# Altium PCB dcb_split_v2.PcbDoc (part 1 of 3)
Units mm, origin at the board's own origin, x right, y up, seen from the top; angles counter-clockwise.
Board outline 175 x 60 mm, 4 copper layers (Top Layer, Int1 (GND), Int2 (PWR), Bottom Layer), stack 1.369 mm thick; 175 components, 105 nets, 654 pads, 664 vias.
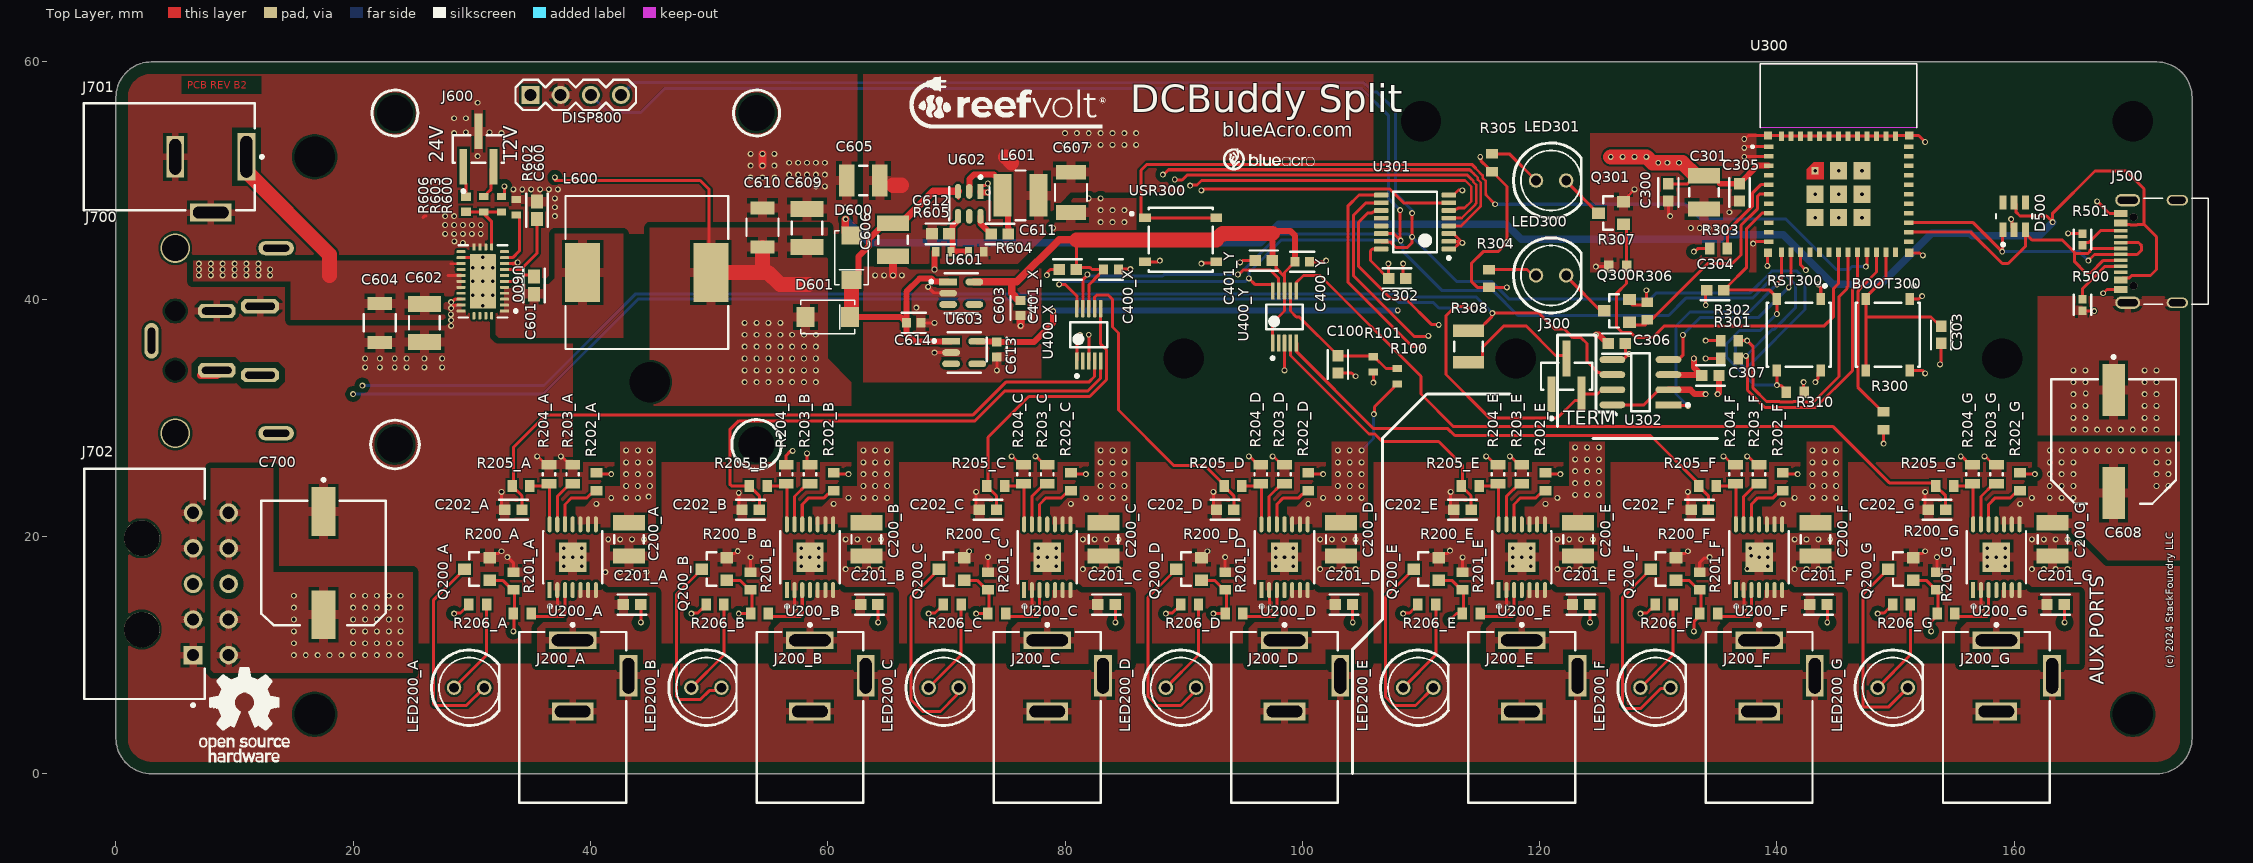
[diagram p0: Top Layer view]
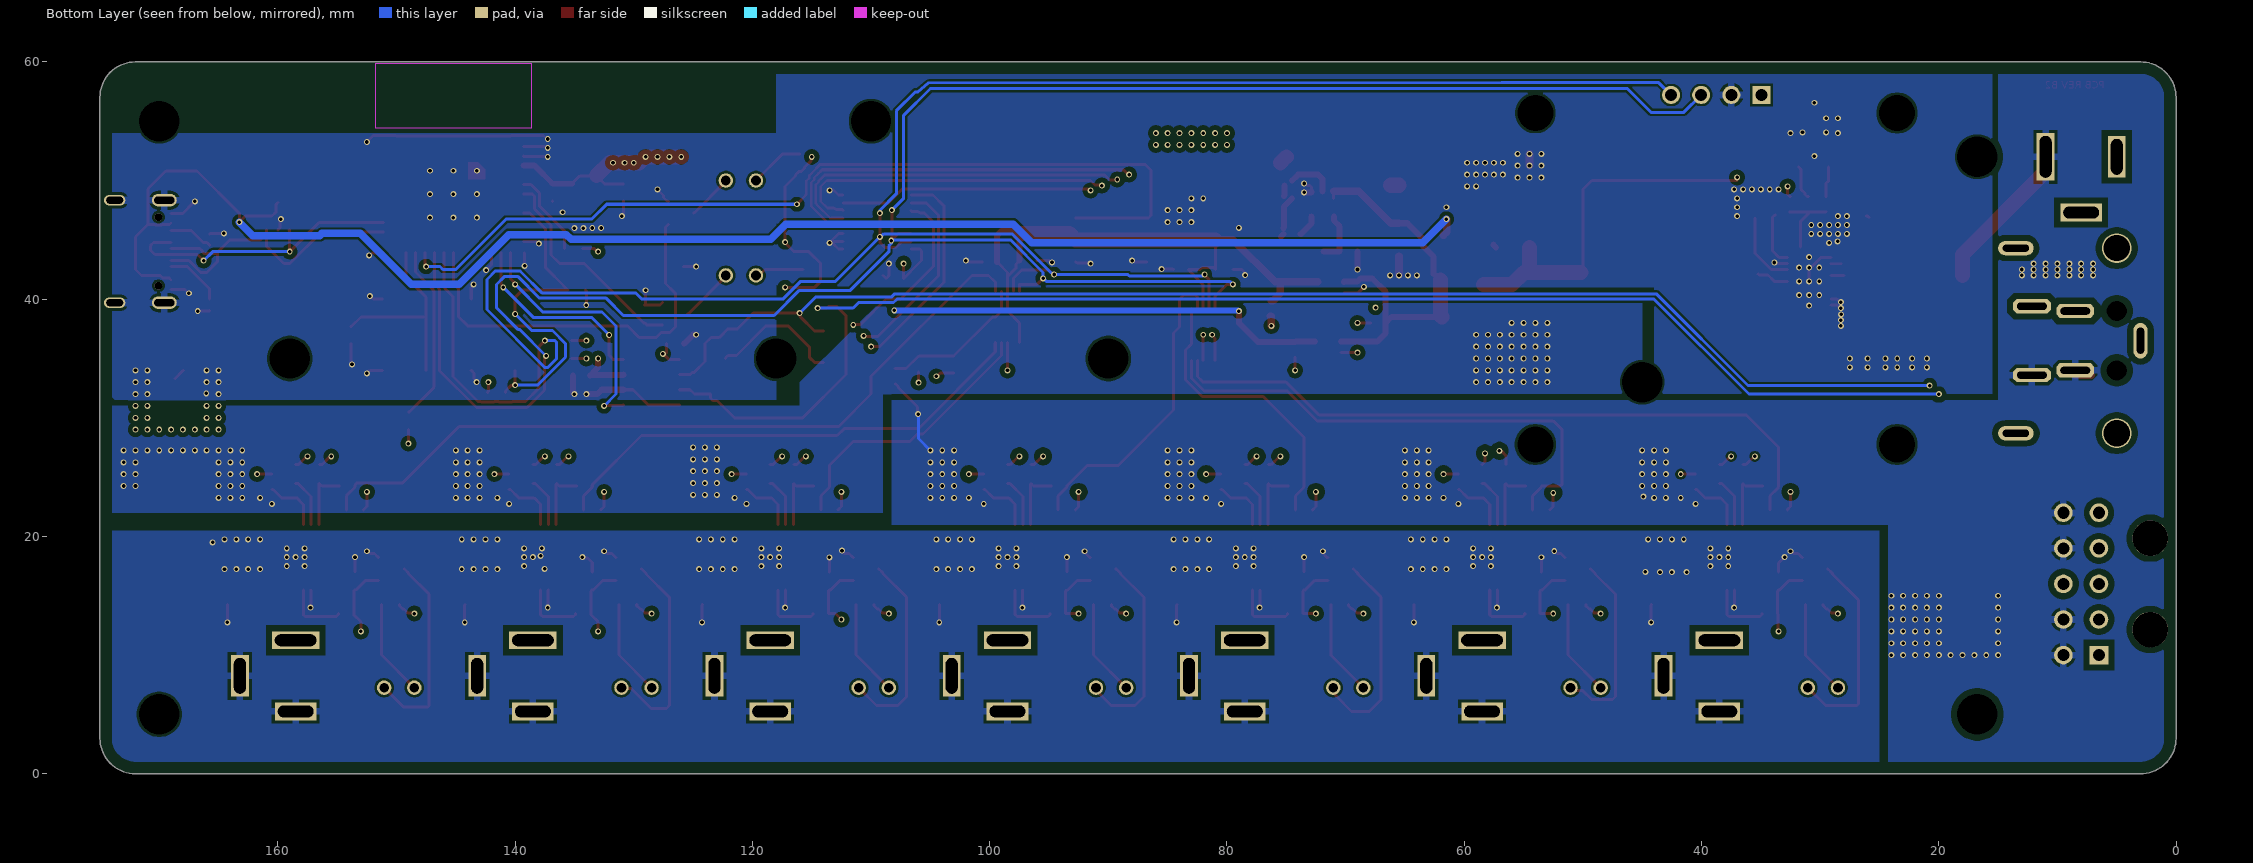
[diagram p1: Bottom Layer view, seen from below]
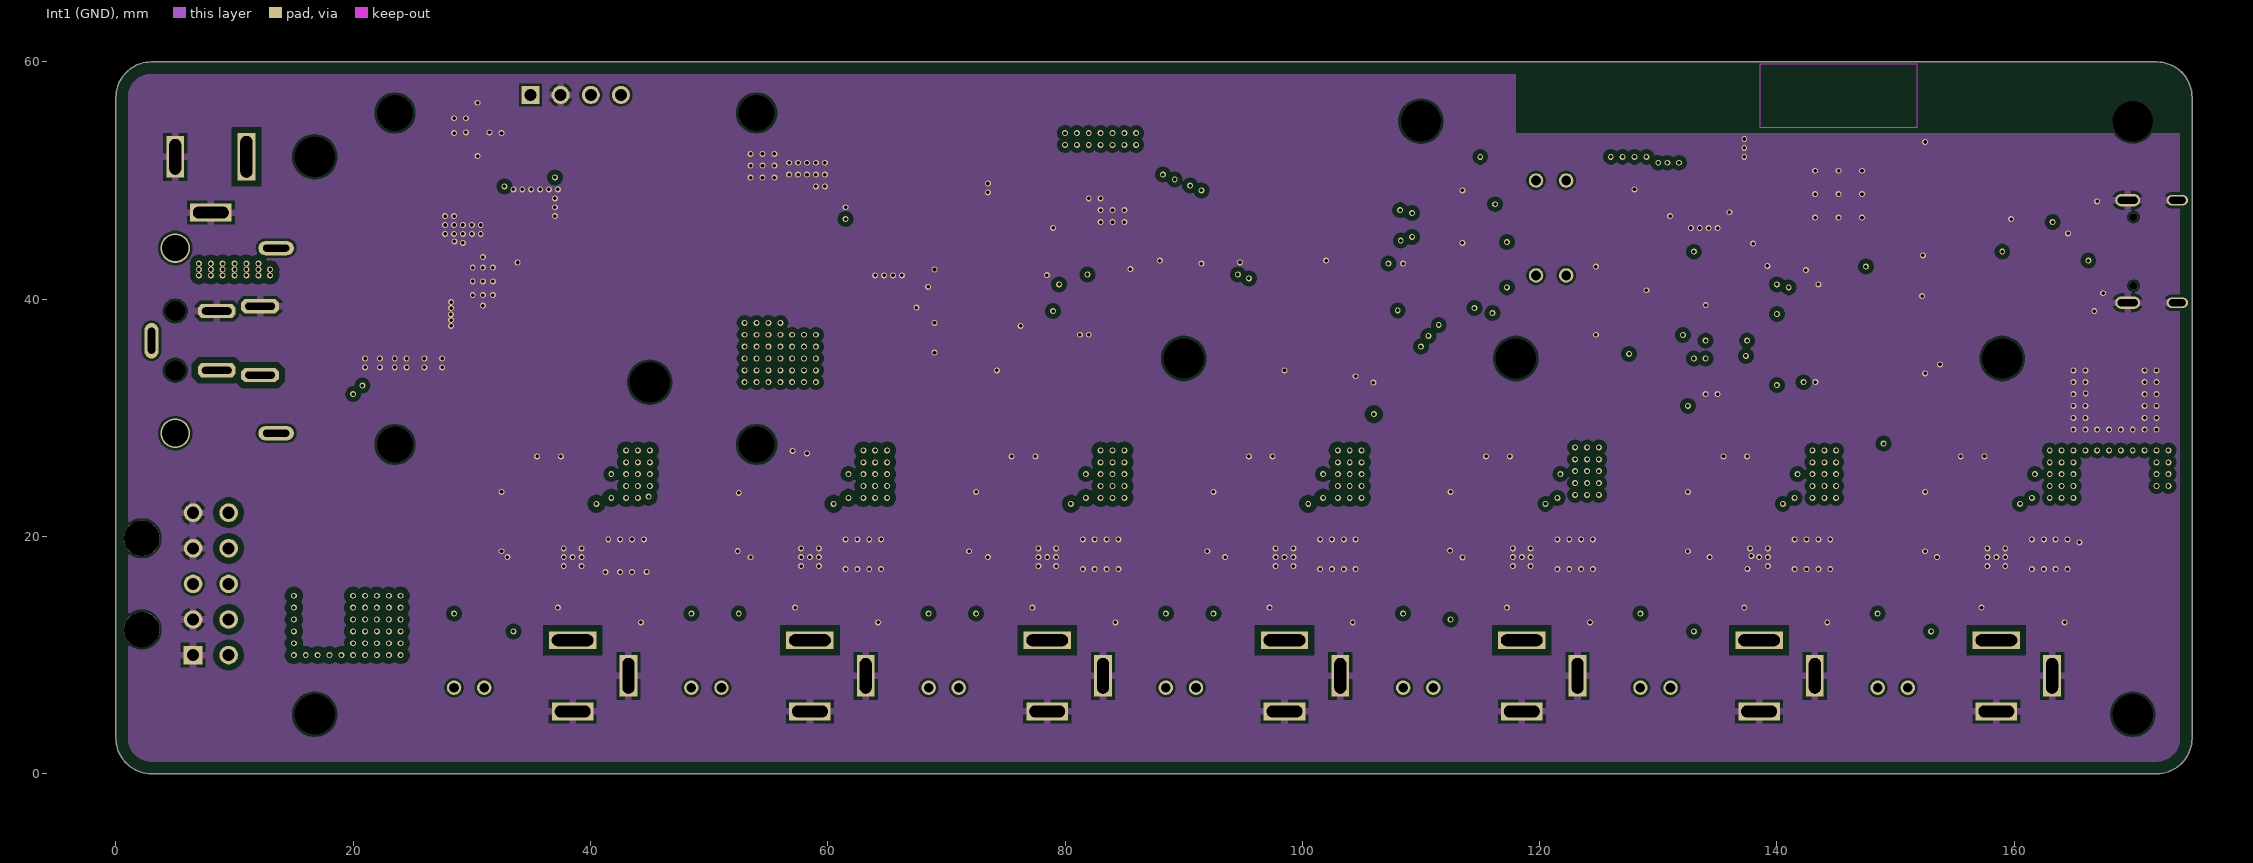
[diagram p2: Int1 (GND)]
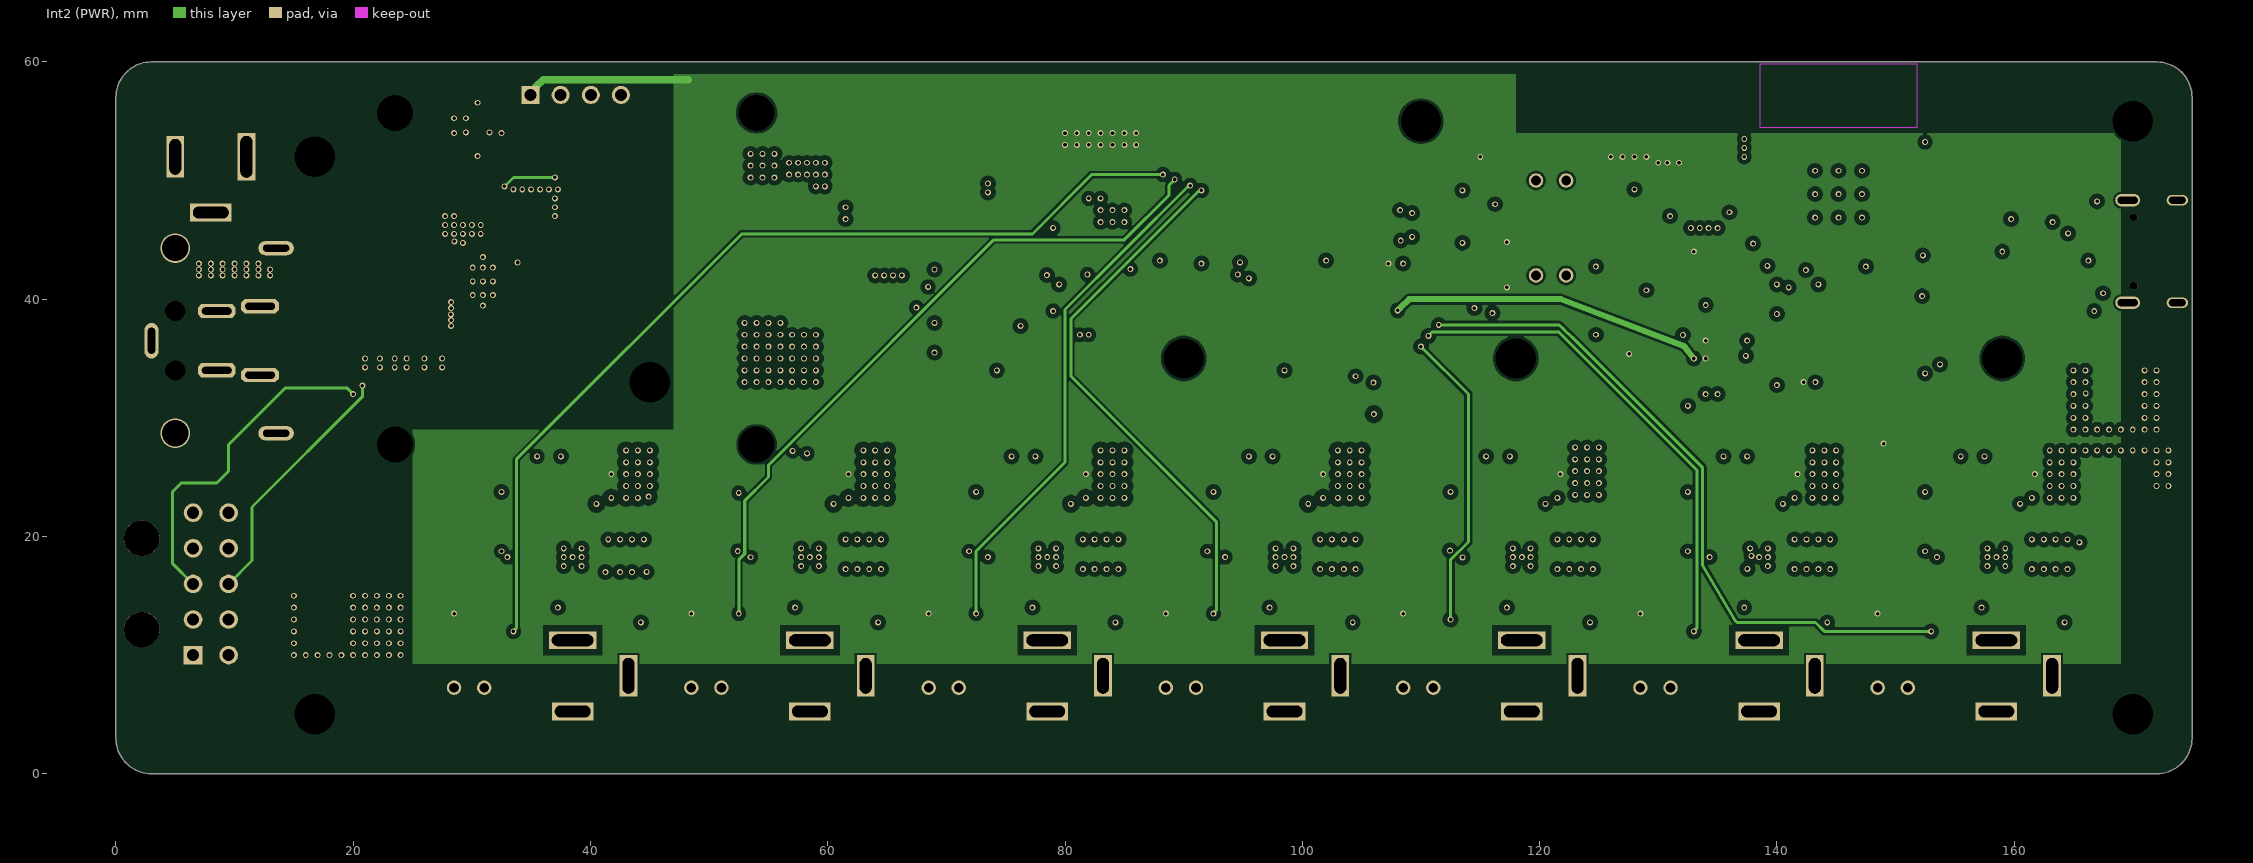
[diagram p3: Int2 (PWR)]
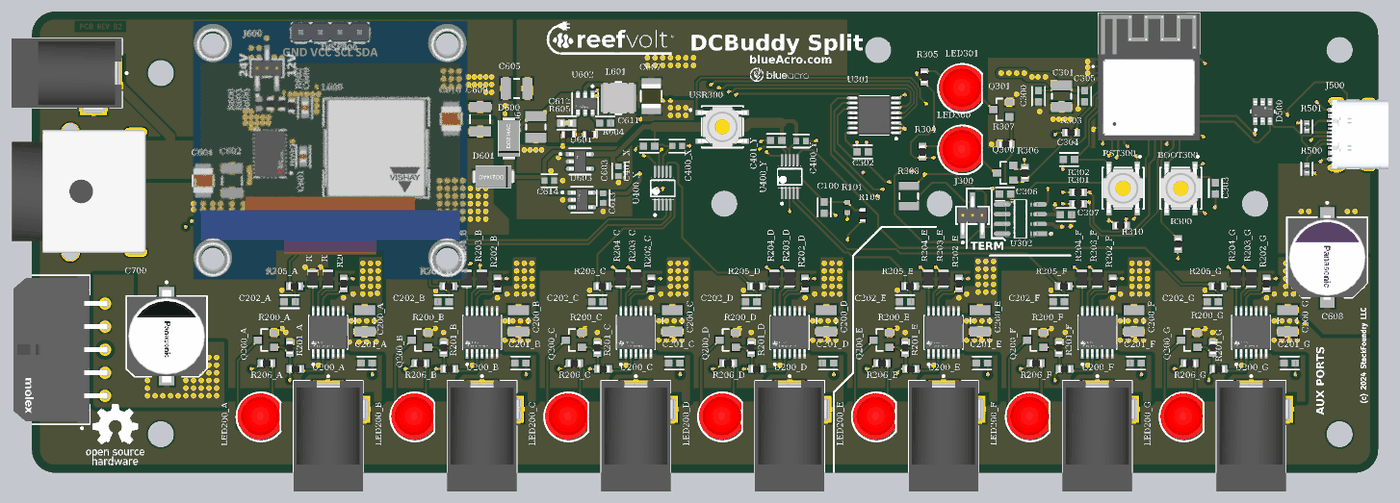
[diagram p6: 3D render of the assembled board from above, using the file's embedded part models]

## Layer stack, top to bottom
Top Solder: solder mask 0.0254, SM-001, Dk 4
Top Layer: signal copper 0.035
Dielectric 1: prepreg 0.1295, PP-017, Dk 4.3
Dielectric 2: prepreg 0.1295, PP-017, Dk 4.3
Int1 (GND): signal copper 0.035
Dielectric 3: core 0.7112, Core-039, Dk 4.8
Int2 (PWR): signal copper 0.035
Dielectric 4: prepreg 0.1295, PP-017, Dk 4.3
Dielectric 5: prepreg 0.1295, PP-017, Dk 4.3
Bottom Layer: signal copper 0.035
Bottom Solder: solder mask 0.0254, SM-001, Dk 4

## Board outline
0,3 ccw(c3,3) 3,0 172,0 ccw(c172,3) 175,3 175,57 ccw(c172,57) 172,60 3,60 ccw(c3,57) 0,57

## Design rules (kind name [scope] priority, off if disabled: settings)
BoardOutlineClearance [All] p1: gap=1.016 ignorepadtopadclearanceinfootprint=FALSE
Clearance Clearance_U600 [InNetClass('HV') vs WithinRoom('U_dcb_i2c_ext')] p1: gap=0.2 ignorepadtopadclearanceinfootprint=FALSE
Clearance Clearance_VIN [InNetClass('HV')] p2: gap=0.5 ignorepadtopadclearanceinfootprint=FALSE except(0.2: Track-Poly; 0.25: Arc-SMDPad Track-SMDPad SMDPad-SMDPad SMDPad-Via SMDPad-Fill SMDPad-Poly)
Clearance [All] p3: gap=0.2 ignorepadtopadclearanceinfootprint=FALSE except(0.4: Via-Poly; 0.5: Poly-Poly)
HoleSize [All] p1: absolutevalues=TRUE maxlimit=5 minlimit=0.025 maxpercent=80.000 minpercent=20.000
PolygonConnect [All] p1: thpad.connectstyle=Relief thpad.reliefconductorwidth=0.6 thpad.reliefentries=4 thpad.polygonreliefangle="90 Angle" thpad.airgapwidth=0.254 smdpad.connectstyle=Relief smdpad.reliefconductorwidth=0.8 smdpad.reliefentries=4 smdpad.polygonreliefangle="90 Angle" smdpad.airgapwidth=0.254 via.connectstyle=Direct via.reliefconductorwidth=0.254 via.reliefentries=4 via.polygonreliefangle="90 Angle" via.airgapwidth=0.254
RoomDefinition U_dcb_lite_logic [InComponentClass('U_dcb_lite_logic')] p1: confinementstyle=ConfineIn formatcopy=TRUE lockcomponents=FALSE outline 85,22 174.5,22 174.5,60.5 85,60.5
RoomDefinition Y [InComponentClass('Y')] p2: confinementstyle=ConfineIn formatcopy=TRUE lockcomponents=FALSE outline 94.94,42.04 94.94,44.46 98.56,44.46 98.56,44.355 101.46,44.355 101.46,41.947 100.854,41.947 100.854,34.342 96.146,34.342 96.146,42.04
RoomDefinition X [InComponentClass('X')] p3: confinementstyle=ConfineIn formatcopy=TRUE lockcomponents=FALSE outline 78.417,41.29 78.417,43.71 82.037,43.71 82.037,43.704 85.333,43.704 85.333,41.296 84.354,41.296 84.354,32.842 79.646,32.842 79.646,41.29
RoomDefinition G [InComponentClass('G')] p4: confinementstyle=ConfineIn formatcopy=TRUE lockcomponents=FALSE outline 146.214,3.694 146.214,10.806 148.493,10.806 148.493,19.053 151.69,19.053 151.69,23.46 152.221,23.46 152.221,25.529 155.421,25.529 155.421,26.829 159.579,26.829 159.579,26.529 161.779,26.529 161.779,22.329 165.129,22.329 165.129,15.46 165.31,15.46 165.31,13.04 164.329,13.04 164.329,-2.829 153.621,-2.829 153.621,3.694
RoomDefinition F [InComponentClass('F')] p5: confinementstyle=ConfineIn formatcopy=TRUE lockcomponents=FALSE outline 126.214,3.694 126.214,10.806 128.493,10.806 128.493,19.053 131.69,19.053 131.69,23.46 132.221,23.46 132.221,25.529 135.421,25.529 135.421,26.829 139.579,26.829 139.579,26.529 141.779,26.529 141.779,22.329 145.129,22.329 145.129,15.46 145.31,15.46 145.31,13.04 144.329,13.04 144.329,-2.829 133.621,-2.829 133.621,3.694
RoomDefinition E [InComponentClass('E')] p6: confinementstyle=ConfineIn formatcopy=TRUE lockcomponents=FALSE outline 106.214,3.694 106.214,10.806 108.493,10.806 108.493,19.053 111.69,19.053 111.69,23.46 112.221,23.46 112.221,25.529 115.421,25.529 115.421,26.829 119.579,26.829 119.579,26.529 121.779,26.529 121.779,22.329 125.129,22.329 125.129,15.46 125.31,15.46 125.31,13.04 124.329,13.04 124.329,-2.829 113.621,-2.829 113.621,3.694
RoomDefinition D [InComponentClass('D')] p7: confinementstyle=ConfineIn formatcopy=TRUE lockcomponents=FALSE outline 86.214,3.694 86.214,10.806 88.493,10.806 88.493,19.053 91.69,19.053 91.69,23.46 92.221,23.46 92.221,25.529 95.421,25.529 95.421,26.829 99.579,26.829 99.579,26.529 101.779,26.529 101.779,22.329 105.129,22.329 105.129,15.46 105.31,15.46 105.31,13.04 104.329,13.04 104.329,-2.829 93.621,-2.829 93.621,3.694
RoomDefinition C [InComponentClass('C')] p8: confinementstyle=ConfineIn formatcopy=TRUE lockcomponents=FALSE outline 66.214,3.694 66.214,10.806 68.493,10.806 68.493,19.053 71.69,19.053 71.69,23.46 72.221,23.46 72.221,25.529 75.421,25.529 75.421,26.829 79.579,26.829 79.579,26.529 81.779,26.529 81.779,22.329 85.129,22.329 85.129,15.46 85.31,15.46 85.31,13.04 84.329,13.04 84.329,-2.829 73.621,-2.829 73.621,3.694
RoomDefinition B [InComponentClass('B')] p9: confinementstyle=ConfineIn formatcopy=TRUE lockcomponents=FALSE outline 46.214,3.694 46.214,10.806 48.493,10.806 48.493,19.053 51.69,19.053 51.69,23.46 52.221,23.46 52.221,25.529 55.421,25.529 55.421,26.829 59.579,26.829 59.579,26.529 61.779,26.529 61.779,22.329 65.129,22.329 65.129,15.46 65.31,15.46 65.31,13.04 64.329,13.04 64.329,-2.829 53.621,-2.829 53.621,3.694
RoomDefinition A [InComponentClass('A')] p10: confinementstyle=ConfineIn formatcopy=TRUE lockcomponents=FALSE outline 26.214,3.694 26.214,10.806 28.493,10.806 28.493,19.053 31.69,19.053 31.69,23.46 32.221,23.46 32.221,25.529 35.421,25.529 35.421,26.829 39.579,26.829 39.579,26.529 41.779,26.529 41.779,22.329 45.129,22.329 45.129,15.46 45.31,15.46 45.31,13.04 44.329,13.04 44.329,-2.829 33.621,-2.829 33.621,3.694
RoomDefinition U_dcb_single_input [InComponentClass('U_dcb_single_input')] p11: confinementstyle=ConfineIn formatcopy=TRUE lockcomponents=FALSE outline -3.25,5.25 23.25,5.25 23.25,57 -3.25,57
RoomDefinition U_dcb_i2c_ext [InComponentClass('U_dcb_i2c_ext')] p12: confinementstyle=ConfineIn formatcopy=TRUE lockcomponents=FALSE outline 20.681,24.884 20.681,58.992 56.839,58.992 56.839,24.884
RoomDefinition U_usb_input [InComponentClass('U_usb_input')] p13: confinementstyle=ConfineIn formatcopy=TRUE lockcomponents=FALSE outline 158.021,44.096 158.021,49.204 167.901,49.204 167.901,49.395 176.879,49.395 176.879,38.647 166.84,38.647 166.84,38.131 164.66,38.131 164.66,44.096
RoomDefinition U_dcdc_60v_12v [InComponentClass('U_dcdc_60v_12v')] p14: confinementstyle=ConfineIn formatcopy=TRUE lockcomponents=FALSE outline 20.446,35.346 20.446,40.654 23.821,40.654 23.821,41.079 25.171,41.079 25.171,45.329 27.945,45.329 27.945,56.105 33.163,56.105 33.163,51.879 65.579,51.879 65.579,51.779 82.304,51.779 82.304,35.629 174.242,35.629 174.242,20.846 162.534,20.846 162.534,33.446 68.468,33.446 68.468,34.921 23.821,34.921 23.821,35.346
RoutingVias [All] p1: holewidth=0.3 width=0.5 viastyle="Through Hole" minholewidth=0.2 minwidth=0.5 maxholewidth=1 maxwidth=2
SilkToSolderMaskClearance [IsPad] p1: minsilkscreentomaskgap=0.1 clearancetoexposedcopper=TRUE
SolderMaskExpansion [All] p1: expansion=0.102 istentingtop=FALSE
SupplyNets "Schematic Supply Nets_6" [InNet('5VCAN')] p1: voltage=0.000
SupplyNets "Schematic Supply Nets_5" [InNet('VIN')] p2: voltage=0.000
SupplyNets "Schematic Supply Nets_4" [InNet('3V3')] p3: voltage=0.000
SupplyNets "Schematic Supply Nets_3" [InNet('GND')] p4: voltage=0.000
SupplyNets "Schematic Supply Nets_2" [InNet('5V')] p5: voltage=0.000
SupplyNets "Schematic Supply Nets_1" [InNet('VBUS')] p6: voltage=0.000
SupplyNets "Schematic Supply Nets" [InNet('12V')] p7: voltage=0.000
Width [All] p1: maxlimit=1.27 minlimit=0.2 preferedwidth=0.254
28 further rules are at their usual default settings.
